# KiCad board PC110.kicad_pcb (continued)
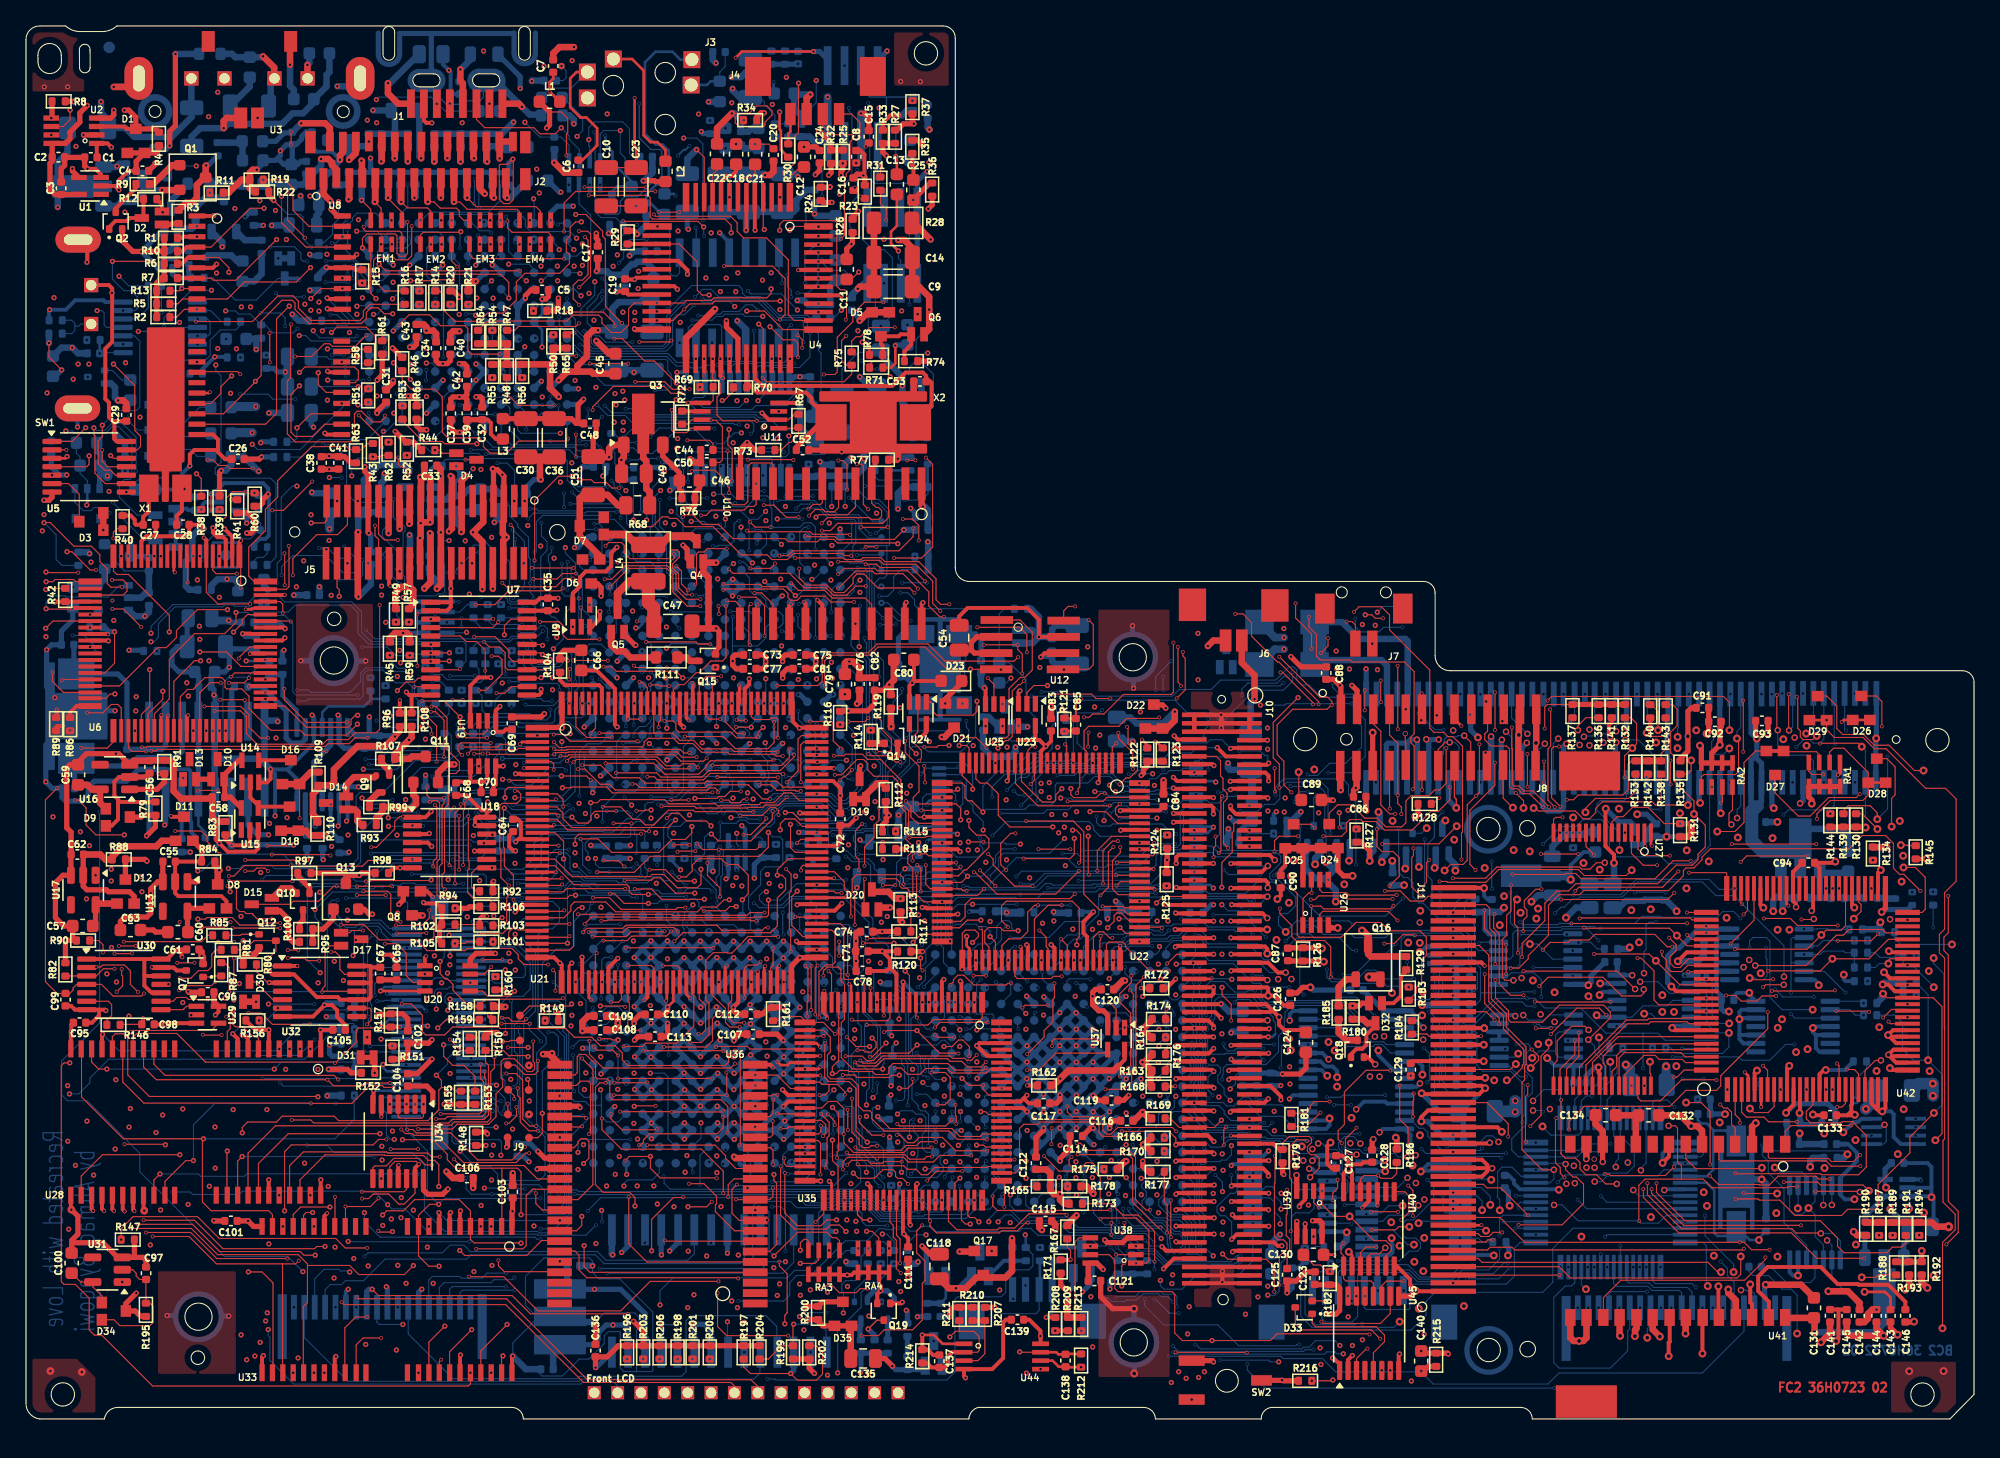
[diagram p0: board, top side]
## Routing (per net, layer and track width the routed paths; a pad name or vN(x,y) marks a point on that pad's centre or on a via; arc(x,y) is an arc through that point) (continued)
VCC: length 380.4
  FC2 w0.3: C67.2 26.64,34.8 26.53,34.91 ; 6.81,76.79 6.92,76.9 C29.1 ; 6.81,76.79 6.39,77.21 6.39,78.33 6.11,78.61 6.11,82.48 6.64,83.01 6.64,86.4 ; 6.81,76.79 6.81,75.69 ; U6.71 19.73,59.99 v1(19.94,60.2) ; 9.12,34.17 9.12,33.39 9.66,32.85 ; 9.12,34.17 9.12,35.44 ; 9.12,34.17 9.15,34.14 U30.12 ; U32.12 26.48,33.61 26.52,33.65 26.54,33.65 ; v1(14.59,31.13) 14.83,31.37 U29.5 ; 11.99,36.18 11.61,36.18 10.87,35.44 U30.14 9.12,35.44 ; 11.99,36.18 C61.1 ; 11.99,36.18 11.99,35.63 v10(12.04,35.58) ; v1(18.72,34.52) 18.98,34.26 U32.2 20.65,34.26 22.41,32.5 22.42,32.51 24.01,32.51 24.21,32.31 U32.10 26.36,32.31 26.54,32.49 26.54,33.65 ; 6.81,75.69 v1(6.81,76) ; 6.81,75.69 6.81,75.51 6.99,75.33 U5.14 ; 26.54,33.65 26.54,34.9 26.53,34.91 ; v1(6.62,86.78) 6.64,86.76 6.64,86.4 ; SW1.1 6.38,87.38 6.64,87.12 6.64,86.4 ; 26.53,34.91 U32.14 ; 9.12,35.44 U30.1
  FC2 w0.4: C96.2 14.48,32.15 U29.5 ; R44.1 29.86,75.28 R52.2 29.26,75.28 v1(28.44,76.1) ; v1(26.41,68.27) 26.35,68.33 26.35,70.73 J5.16 26.36,72.75 26.1,73.01 v1(26.1,73.38) ; v1(97.43,58.74) 98.21,57.96 C88.2 ; R128.1 107.22,46.62 v2(107.02,46.42)
  FC2 w0.5: J8.2 114.99,54.6 v4(114.99,52.71) 114.95,52.67 114.95,50.42 J8.25
  FC1 w0.08: v3(12.12,49.38) 12.12,40.25 12.62,39.75 12.62,36.16 v10(12.04,35.58)
  IC1 w0.08: 14.58,31.13 v1(14.59,31.13) 14.59,31.18
  IC1 w0.4: 19.31,63.32 20.47,63.32 v1(20.64,63.49) ; 19.31,63.32 18.8,63.32 ; 19.31,63.32 18.8,62.81 ; v1(26.41,68.27) 26.41,67.43 25.94,66.96 20,66.96 18.97,67.99 18.97,70.01 17.95,71.03 16.99,71.03 ; 16.99,71.03 16.24,71.03 ; 16.99,71.03 16.94,71.03 16.61,70.7 ; 18.23,63.32 18.8,63.32 ; 18.23,63.32 18.29,63.32 18.8,62.81 ; 18.23,63.32 v1(14.9,63.32) ; 18.8,63.32 18.8,62.55 ; 16.24,70.33 16.24,68.23 16.2,68.19 16.2,64.47 15.05,63.32 v1(14.9,63.32) ; 16.24,70.33 16.61,70.7 ; 16.24,70.33 16.24,70.34 15.55,71.03 ; 16.24,70.33 16.24,71.03 ; v1(6.23,34.3) 6.2,34.33 4.15,34.33 3.84,34.64 3.84,40.78 5.91,42.85 5.91,44.87 7.17,46.13 9.5,46.13 10.73,47.36 10.73,52.95 11.66,53.88 11.66,58.72 12.15,59.21 12.15,61.79 13.68,63.32 v1(14.9,63.32) ; 16.24,71.03 15.55,71.03 ; 16.24,71.03 16.58,70.7 16.61,70.7 ; 15.55,71.03 12.81,71.03 12.36,71.48 v1(6.4,71.48) 3.21,71.48 1.86,72.83 1.86,74.16 3.11,75.41 6.22,75.41 v1(6.81,76) ; 18.8,62.55 18.8,62.81 ; 18.8,62.55 18.8,60.71 19.31,60.2 v1(19.94,60.2) ; v1(26.1,73.38) 26.1,74.59 26.52,75.01 26.52,76.11 27.35,76.94 27.86,76.94 28.44,76.36 v1(28.44,76.1) ; 97.41,56.96 97.43,56.98 v1(97.43,58.74)
  IC1 w0.5: v1(77.14,53.34) 77.14,55.05 77.71,55.62 82.47,55.62 82.91,55.18 82.91,54.65 83.07,54.49 v1(85.84,54.49)
  IC1 w0.6: 14.03,34.25 12.03,34.25 ; 14.03,34.25 14.03,31.68 14.58,31.13 ; 14.03,34.25 17.63,34.25 17.9,34.52 v1(18.72,34.52) ; 12.03,34.25 12.03,35.57 v10(12.04,35.58) ; 12.03,34.25 7.55,34.25 7.42,34.38 6.31,34.38 v1(6.23,34.3) ; v4(114.99,52.71) 114.92,52.78 114.92,53.81 114.87,53.86
  IC1 w0.7: v1(90.28,56.96) 98.75,56.96 101.14,54.57 114.16,54.57 114.87,53.86
  IC1 w0.8: v1(90.27,60.54) 88.85,61.96 65.97,61.96 v1(64.23,63.7)
  IC3 w1: v1(64.23,63.7) 60.31,63.7 59.46,64.55 59.46,64.82 57.1,67.18 52.76,67.18 52.03,66.45 47.84,66.45 46.05,68.24 44.03,68.24 41.86,70.41 28.55,70.41 26.44,68.3 26.44,68.27
  IC4 w0.5: 7.98,67.95 v1(8.07,67.86)
  IC4 w0.6: 114.8,51.84 114.8,52.52 v4(114.99,52.71) ; v2(107.02,46.42) 107.96,46.42
  IC4 w0.7: v1(85.84,54.49) 85.84,55.73 86.41,56.3 89.62,56.3 v1(90.28,56.96) 90.28,60.53 v1(90.27,60.54) ; v1(6.4,71.48) 7.42,71.48 7.98,70.92 7.98,59.28 v1(7.94,59.24)
  IC4 w0.8: 114.8,51.84 114.8,51.07 112.71,48.98 110.52,48.98 107.96,46.42
  BC1 w0.08: 12.64,82.18 12.65,82.17 v7(13.21,82.17) ; 12.64,82.18 v7(12.64,80.56) ; 12.64,82.18 12.64,83.12 12.99,83.47 v7(13.21,83.47) ; v1(6.81,76) 6.81,75.98 ; v1(6.62,86.78) 11.2,86.78 v7(13.21,84.77)
  BC1 w0.4: v1(4.89,66.69) 6.9,66.69 v1(8.07,67.86) 9.05,68.84 9.05,73.74 6.81,75.98
  BC2 w0.08: v7(13.21,83.47) 14.01,83.47 14.19,83.65 14.19,84.57 13.99,84.77 v7(13.21,84.77)
  BC2 w0.4: R356.2 9,59.24 v1(7.94,59.24) ; v1(26.41,68.27) 26.55,68.13 26.55,66.84 C217.1 ; R285.2 9.38,66.46 Q29.3 8.07,66.47 v1(8.07,67.86)
  BC2 w0.5: D58.2 75.91,53.34 v1(77.14,53.34) ; v1(6.81,76) 7.63,75.18 R278.2 ; v1(4.89,66.69) 4.78,66.8 R288.1 ; C220.2 v1(20.64,63.49)
(no net): length 5.5
  FC2 w0.08: SW1.3 4.73,90.17 ; 4.73,89.17 v1(4.7,89.14)
  FC2 w0.3: 4.73,90.17 4.73,89.17
  BC2 w0.08: 4.7,90.2 SW1.3
  BC2 w0.3: v1(3.97,76.45) SW1.3 ; v1(4.7,89.14) 4.7,90.2
  vias: v1(4.19,45.25) v1(30.85,78.79) v1(35.25,105.42) v1(50.23,91.55) v1(78.19,48.36) v1(78.82,49.04) v1(82.71,52.7) v1(100.92,59.18) v2(146.94,11.04)
/Audio/Enable_YMF_Bus: length 194.8
  FC2 w0.08: v3(41.17,51.07) 41.71,51.07 41.82,51.18 49.96,51.18 50.45,50.69 52.2,50.69 v3(52.43,50.92) ; v3(30.26,19.64) 30.05,19.85 28.42,19.85 28.02,19.45 U34.10 ; v3(38.81,30.46) 38.8,30.47 v3(36.63,30.47) ; v3(61.3,68.46) 61.96,68.46 62.52,69.02 65.99,69.02 66.44,69.47 U10.3 ; U34.4 28.67,23.3 28.79,23.18 30.49,23.18 30.62,23.31 v3(30.62,24.25) ; v3(31.59,23.12) 32.29,23.12 32.47,23.3 35.13,23.3 35.42,23.59 35.42,26.19 35.33,26.28 v3(35.33,26.77) ; v3(7.33,13.82) 7.33,14.66 8.26,15.59 13.21,15.59 14.89,13.91 23.86,13.91 24.59,13.18 v3(26.27,13.18) ; U34.13 29.97,17.4 29.13,16.56 28.71,16.56 27.94,17.33 26.74,17.33 26.39,16.98 v3(25.89,16.98)
  FC2 w0.3: v3(30.26,19.64) 29.97,19.35 U34.13
  FC1 w0.08: v3(25.89,16.98) 25.89,16.65 25.72,16.48 25.72,15.34 26.27,14.79 v3(26.27,13.18) ; v3(35.33,26.77) 35.36,26.8 35.36,29.72 36.11,30.47 v3(36.63,30.47) ; v3(41.17,51.07) 41.01,50.91 40.27,50.91 39.8,50.44 39.8,38.45 39.12,37.77 39.12,32.19 38.81,31.88 v3(38.81,30.46) ; v3(61.3,68.46) 61.29,68.45 61.29,67.12 61.56,66.85 61.56,64.55 62.06,64.05 62.06,61.33 61.88,61.15 55.45,61.15 54.41,60.11 52.47,60.11 52.33,59.97 52.33,58.22 52.6,57.95 52.6,55.03 52.74,54.89 52.74,51.23 v3(52.43,50.92) ; v3(2.01,72.73) 2.5,72.24 2.5,66.27 3.19,65.58 3.19,58.1 1.86,56.77 1.86,49.74 2.02,49.58 2.02,46.95 1.74,46.67 1.74,45.86 1.97,45.63 1.97,35.89 2.65,35.21 2.65,21.97 v1(3.22,21.4) 2.69,20.87 2.69,17.94 6.81,13.82 v3(7.33,13.82) 7.33,12.32 7.39,12.26 7.39,10.58 v3(7.42,10.55) ; v3(30.26,19.64) 30.26,20.15 31.59,21.48 v3(31.59,23.12) 30.62,24.09 v3(30.62,24.25)
/Audio/PCMCIA_KB_sound: length 2.1
  FC2 w0.08: 68.36,95.5 C25.2
  FC2 w0.3: 68.36,95.5 68.36,96.51 68.27,96.6 R35.1
/Audio/YMFDAC_OUTPUT: length 2.3
  FC2 w0.4: R26.1 63.66,91.42 63.66,90.62 v1(63.58,90.54) 63.22,90.18 C11.2
/Chipset/CMOS_BATT+: length 10.2
  FC2 w0.08: J4.3 61.38,99.65 62.06,98.97 v3(63.81,98.97) ; R31.2 65.81,96.56 v3(65.6,96.77)
  FC1 w0.08: v3(65.6,96.77) 65.6,97.65 64.28,98.97 v3(63.81,98.97) 63.81,96.93 v3(63.95,96.79)
/Keyboard and Trackpoint/D171_GPCLK: length 99.3
  FC1 w0.08: v1(51.34,7.25) 50.19,6.1 v3(50.19,4.62)
  IC2 w0.08: v1(52.43,12.56) 52.43,7.67 52.01,7.25 v1(51.34,7.25)
  IC3 w0.08: v1(52.43,12.56) 53.37,13.5 58.18,13.5 59.04,12.64 60.24,12.64 60.4,12.8 67.7,12.8 67.72,12.82 67.74,12.8 70.1,12.8 71.43,14.13 75.13,14.13 75.58,14.58 76.43,14.58 76.91,15.06 79.5,15.06 80.19,14.37 84.99,14.37 86.71,12.65 89.56,12.65 91.2,11.01 96.1,11.01 101.46,16.37 104.63,16.37 105.42,15.58 107.44,15.58 107.91,15.11 123.5,15.11 123.95,15.56 v2(125.16,15.56)
  BC1 w0.08: v2(125.16,15.56) 125.73,15.56 127.8,17.63 v7(127.8,19.7)
  BC2 w0.4: 52.73,5.17 52.73,6.8 52.24,7.29 51.38,7.29 v1(51.34,7.25) 51.48,7.11 U75.23
/Keyboard and Trackpoint/D171_GPDATA: length 108.8
  FC1 w0.08: v1(48.95,7.26) 48.95,6.03 v3(47.54,4.62)
  IC2 w0.08: v1(48.95,7.26) 49.99,6.22 61.28,6.22 62.32,7.26 62.32,10.7 61.78,11.24 61.78,15.56 61.96,15.74 70.77,15.74 70.79,15.72 79.35,15.72 80.72,14.35 85.32,14.35 86.13,13.54 86.13,9.8 86.62,9.31 89.65,9.31 91.17,7.79 92.91,7.79 93.93,8.81 93.93,9.7 94.85,10.62 114.38,10.62 120.83,17.07 v4(120.83,18.29)
  BC2 w0.08: 50.18,5.17 50.18,7 49.92,7.26 v1(48.95,7.26) 48.93,7.24 48.93,5.17 ; v4(120.83,18.29) 121.35,18.29 121.78,18.72 125.67,18.72 126.15,19.2 U67.21
/Keyboard and Trackpoint/D171_P0A0: length 36.6
  IC1 w0.08: v1(30.49,10) 38.37,10 38.86,10.49 49.28,10.49 49.74,10.03 60.34,10.03 v1(60.42,9.95)
  BC1 w0.08: v1(60.42,9.95) 60.42,11.87 60.55,12 60.55,14.4 v7(60.38,14.57)
  BC2 w0.4: J19.6 30.24,9.75 v1(30.49,10)
/Keyboard and Trackpoint/D171_P0A1: length 33.4
  BC1 w0.08: v7(44.77,11.23) 37,11.23 v7(36.99,11.24)
  BC2 w0.08: v7(44.77,11.23) 58.3,11.23 59.13,12.06 U75.12 ; v7(36.99,11.24) 35.53,11.24 35.14,10.85 33.54,10.85 33.41,10.98 31.3,10.98 31.02,10.7 31.02,8.63 J19.5
/Keyboard and Trackpoint/D171_P0A2: length 30.3
  BC1 w0.08: v7(57.85,13.89) 57.84,13.9 47.41,13.9 46.89,13.38 46.89,12.44 45.35,10.9 v7(37.62,10.9)
  BC2 w0.08: J19.4 31.84,10.13 32.21,10.5 35.81,10.5 36.04,10.73 37.45,10.73 v7(37.62,10.9) ; v7(57.85,13.89) 57.85,14.54 U75.11
/Keyboard and Trackpoint/D171_P0A3: length 32.1
  BC1 w0.08: v7(36.97,10.2) 36.97,9.73 38.57,8.13 55.06,8.13 56.6,9.67 56.6,13.55 v7(56.59,13.56)
  BC2 w0.08: J19.3 32.64,10.01 32.83,10.2 v7(36.97,10.2) ; v7(56.59,13.56) 56.59,14.56 U75.10
/Keyboard and Trackpoint/D171_P0B0: length 37.5
  BC2 w0.08: J19.15 23.04,9.96 23.43,10.35 24.3,10.35 24.6,10.65 25.99,10.65 27.66,12.32 33.93,12.32 34.26,12.65 43.85,12.65 44.53,11.97 55.03,11.97 55.33,12.27 U75.9
/Keyboard and Trackpoint/D171_P0B1: length 37.2
  IC1 w0.08: v1(23.73,10.86) 23.73,11.93 24.67,12.87 32.05,12.87 32.42,12.5 43.94,12.5 44.82,13.38 46.86,13.38 48.15,12.09 53.35,12.09 v1(54.03,12.77)
  BC1 w0.08: v7(23.84,8.61) 23.84,10.75 v1(23.73,10.86)
  BC2 w0.4: v1(54.03,12.77) U75.8
/Keyboard and Trackpoint/D171_P0B2: length 34
  IC1 w0.08: v1(24.82,9.99) 25.18,9.63 38.46,9.63 38.75,9.34 49.44,9.34 49.67,9.57 v1(51.45,9.57)
  BC1 w0.08: v1(51.45,9.57) 51.45,12.25 v7(52.76,13.56)
  BC2 w0.08: v7(52.76,13.56) 52.76,14.55 U75.7
  BC2 w0.3: v1(24.82,9.99) 24.64,9.81 J19.13
/Keyboard and Trackpoint/D171_P0B3: length 32.5
  BC1 w0.08: v7(25.44,8.61) 25.44,11.65 26.08,12.29 v7(26.08,12.53)
  BC2 w0.08: v7(26.08,12.53) 26.35,12.8 32.07,12.8 32.67,13.4 33.73,13.4 34.23,12.9 44.01,12.9 44.68,12.23 50.97,12.23 51.48,12.74 U75.6
/Keyboard and Trackpoint/D171_P0C2: length 29.3
  FC1 w0.08: v3(52.67,4.62) 52.67,6.87 50.97,8.57 v1(50.97,8.58)
  BC1 w0.08: 47.69,9.22 47.67,9.24 v7(47.67,13.57) ; 47.69,9.22 50.35,9.22 50.97,8.6 v1(50.97,8.58) ; 47.69,9.22 38.36,9.22 v7(37.64,9.94)
  BC2 w0.08: v7(37.64,9.94) 37.62,9.92 33.62,9.92 33.44,9.74 J19.2 ; U75.3 47.67,14.56 v7(47.67,13.57)
/Keyboard and Trackpoint/D171_P0C3: length 44.8
  FC1 w0.08: v1(45.88,12.83) 45.88,4.33 46.21,4 50.72,4 v3(51.34,4.62)
  IC1 w0.08: v1(45.88,12.83) 45.88,12.2 44.84,11.16 35.56,11.16 34.82,11.9 32.64,11.9 31.92,12.62 26.15,12.62 24.94,11.41 v1(24.94,11.32)
  BC2 w0.08: v1(24.94,11.32) 24.86,11.4 24.24,11.4 24.11,11.53 22.96,11.53 22.24,10.81 J19.16
  BC2 w0.4: v1(45.88,12.83) 46.38,13.33 U75.2
/Keyboard and Trackpoint/D171_P1A0: length 40.3
  IC1 w0.08: v1(54.03,7.49) 53.3,8.22 18.63,8.22 v1(18.59,8.18)
  BC1 w0.08: v7(20.64,8.61) 20.21,8.18 v1(18.59,8.18)
  BC2 w0.08: v1(54.03,7.49) 54.03,5.17
/Keyboard and Trackpoint/D171_P1A1: length 29.4
  BC1 w0.08: v7(28.64,8.61) 28.44,8.41 28.44,6.97 29.24,6.17 54.31,6.17 v7(55.33,5.15)
/Keyboard and Trackpoint/D171_P1A2: length 40.7
  BC2 w0.08: J19.17 21.44,6.27 24.81,2.9 42.59,2.9 42.76,3.07 56.07,3.07 56.53,3.53 56.53,5.17
/Keyboard and Trackpoint/D171_P1A3: length 38.5
  BC2 w0.08: J19.7 29.44,6.56 32.9,3.1 42.46,3.1 42.65,3.29 50.48,3.29 50.84,3.65 50.84,7.56 51.24,7.96 56.99,7.96 57.83,7.12 57.83,5.17
/Keyboard and Trackpoint/KB1_0: length 25.5
  BC1 w0.08: v7(114.77,17.2) 114.19,17.78 111.77,17.78 111.4,17.41 v7(111.4,11.84)
  BC2 w0.08: v7(111.4,11.84) 110.58,11.84 109.68,10.94 107.39,10.94 106.44,11.89 101.25,11.89 100.7,11.34 99.19,11.34 99.09,11.24 J17.8 ; v7(114.77,17.2) U67.56
/Keyboard and Trackpoint/KB1_1: length 27.9
  BC1 w0.08: v7(114.97,16.27) 114.28,15.58 114.28,13.33 114.69,12.92 114.69,12.31 114.41,12.03 v7(114.13,12.03)
  BC2 w0.08: v7(114.97,16.27) 114.97,16.56 115.11,16.7 U67.55 ; J17.7 100.09,8.6 99.81,8.32 99.81,7.74 100.09,7.46 102.14,7.46 102.57,7.89 102.57,11.15 102.7,11.28 106.47,11.28 107.17,10.58 110.14,10.58 110.75,11.19 113.01,11.19 113.85,12.03 v7(114.13,12.03)
/Keyboard and Trackpoint/KB1_2: length 16.1
  BC1 w0.08: v7(106.13,9.89) 106.59,10.35 115.26,10.35 116.37,11.46 116.37,13.54 116.85,14.02 116.85,14.57 116.3,15.12 v7(116.3,16.2)
  BC2 w0.08: v7(106.13,9.89) 106.11,9.89 J17.1
/Keyboard and Trackpoint/KB1_3: length 20.8
  BC1 w0.08: v7(113.5,13.13) v7(113.5,14.13)
  BC2 w0.08: U67.53 113.77,15.7 113.5,15.43 v7(113.5,14.13) ; J17.6 101.09,11.29 101.29,11.49 106.56,11.49 107.28,10.77 109.9,10.77 110.61,11.48 112.66,11.48 113.5,12.32 v7(113.5,13.13)
/Keyboard and Trackpoint/KB1_4: length 15.3
  BC1 w0.08: v7(105.15,9.89) 105.78,10.52 112.21,10.52 113.55,11.86 113.55,12.69 113.81,12.95 v7(113.81,15.22)
  BC2 w0.08: J17.2 105.11,9.89 v7(105.15,9.89) ; U67.52 113.83,15.2 v7(113.81,15.22)
/Keyboard and Trackpoint/KB1_5: length 30.1
  BC1 w0.08: v7(114.72,14.69) 114.72,15.33 116,16.61 116.55,16.61 116.95,16.21 116.95,15.04 117.38,14.61 117.38,13.92 116.79,13.33 116.79,10.3 114.78,8.29 111.91,8.29 110.64,7.02 102.73,7.02 102.32,7.43 102.32,8.87 v7(102.11,9.08)
  BC2 w0.08: J17.5 102.11,9.89 v7(102.11,9.08) ; U67.51 114.73,14.7 v7(114.72,14.69)
/Keyboard and Trackpoint/KB1_6: length 14.9
  BC1 w0.08: v7(104.14,9.89) 104.99,10.74 110.46,10.74 110.56,10.84 110.97,10.84 v7(111.01,10.8) ; v7(116.3,14.2) 115.96,13.86 115.96,12.39 115.21,11.64 v7(114.27,11.64)
  BC2 w0.08: v7(104.14,9.89) 104.11,9.89 J17.3 ; v7(111.01,10.8) 113.43,10.8 v7(114.27,11.64)
/Keyboard and Trackpoint/KB1_7: length 19
  BC2 w0.08: U67.49 115.08,13.6 114.65,13.17 114.65,11.01 114.03,10.39 106.86,10.39 106.6,10.13 106.6,8.53 106.5,8.43 103.23,8.43 103.09,8.57 J17.4
/Keyboard and Trackpoint/KB2_1: length 8.6
  BC1 w0.08: v7(121.13,8.57) 121.13,10.94 121.27,11.08 121.27,11.95 121.81,12.49 125.11,12.49 v7(125.9,11.7)
/Keyboard and Trackpoint/KB2_2: length 7.4
  BC1 w0.08: v7(128.62,10.14) 129.39,9.37 129.95,9.37 130.73,8.59 v7(130.73,8.57)
  BC2 w0.08: U67.34 125.3,10.64 125.51,10.43 128.33,10.43 v7(128.62,10.14)
/Keyboard and Trackpoint/KB2_3: length 6
  BC1 w0.08: v7(124.86,9.81) 124.8,9.87 v7(124.8,11.7)
  BC2 w0.08: J16.17 121.93,9.63 122.11,9.81 v7(124.86,9.81)
/Keyboard and Trackpoint/KB2_4: length 3.2
  BC1 w0.08: v7(124.33,8.57) 124.29,8.61 124.29,11.69 v7(124.3,11.7)
/Keyboard and Trackpoint/KB2_5: length 3.6
  BC1 w0.08: v7(122.73,8.57) 123.8,9.64 v7(123.8,11.7)
/Keyboard and Trackpoint/KB2_6: length 7.7
  BC2 w0.08: J16.9 128.33,9.78 127.98,10.13 125.38,10.13 125.03,10.48 123.46,10.48 123.3,10.64 U67.38
/Keyboard and Trackpoint/KB2_7: length 13.9
  BC1 w0.08: v7(122.82,13.36) 122.82,13.36 126.55,13.36 127.86,12.05 130.46,12.05 v7(130.53,12.12)
  BC2 w0.08: v7(122.82,13.36) 122.8,13.34 U67.39 ; v7(130.53,12.12) 131.05,11.6 131.05,11.06 131.57,10.54 131.57,9.67 131.53,9.63 J16.5
/Keyboard and Trackpoint/KB2_8: length 7.9
  BC2 w0.08: J16.10 127.53,9.72 127.35,9.9 125.24,9.9 124.92,10.22 122.52,10.22 122.29,10.45 122.29,11.7
/Keyboard and Trackpoint/KB2_9: length 11.8
  BC1 w0.08: v7(121.8,11.7) 121.8,8.73 122.35,8.18 124.68,8.18 125.69,9.19 126.07,9.19 126.41,8.85 126.41,8.37 126.59,8.19 128.75,8.19 v7(129.13,8.57)
/Keyboard and Trackpoint/KB2_10: length 10
  BC1 w0.08: v7(126.73,8.57) 126.73,11.82 125.84,12.71 121.32,12.71 v7(121.3,12.69)
  BC2 w0.08: v7(121.3,12.69) U67.42
/Keyboard and Trackpoint/KB2_11: length 14.1
  BC1 w0.08: v7(129.93,8.57) 129.3,7.94 126.55,7.94 126.22,8.27 126.22,8.79 126.05,8.96 126.05,8.97 125.79,8.97 124.76,7.94 121.16,7.94 120.85,8.25 120.85,11.29 120.8,11.34 v7(120.8,11.7)
/Keyboard and Trackpoint/KB2_12: length 9.6
  BC1 w0.08: v7(120.3,11.7) 120.3,11.37 120.64,11.03 120.64,8.12 121.14,7.62 124.98,7.62 v7(125.93,8.57)
/Keyboard and Trackpoint/KB2_13: length 11.8
  IC1 w0.08: v2(120.16,10.01) 120.16,10 123.19,10 124.91,8.28 124.91,6.29 v2(124.88,6.26)
  BC2 w0.08: U67.45 119.8,10.36 v2(120.16,10.01) ; J16.13 125.13,7.21 124.88,6.96 v2(124.88,6.26)
/Keyboard and Trackpoint/KB2_14: length 18.1
  BC2 w0.08: J16.15 123.53,6.93 123.37,6.77 123.37,5.25 122.04,3.92 118.09,3.92 117.68,4.33 117.68,9.36 118.57,10.25 119.05,10.25 119.3,10.5 U67.46
/Keyboard and Trackpoint/KB2_15: length 3.4
  BC1 w0.08: v7(119.53,8.57) 118.8,9.3 v7(118.8,11.7)
/Keyboard and Trackpoint/KB2_16: length 5.4
  BC1 w0.08: v7(120.33,8.57) 119.87,8.11 119,8.11 118.2,8.91 v7(118.2,11.7)
/Keyboard and Trackpoint/TRKPD_Lclick: length 136.7
  FC1 w0.08: v1(48.84,8.79) 49.63,8 49.63,5.44 48.81,4.62 v3(48.8,4.62)
  IC2 w0.08: v1(48.84,8.79) 48.84,12.01 48.95,12.12 v1(48.95,12.64)
  IC3 w0.08: v1(48.84,8.79) 48.74,8.89 30.49,8.89 29.03,7.43 v1(29.03,7.28)
  BC1 w0.08: v7(88.01,4.83) 87.77,5.07 87.77,7.15 84.96,9.96 84.96,12.11 84.57,12.5 v7(84.57,13.39)
  BC2 w0.08: J19.10 27.04,7.45 27.21,7.28 v1(29.03,7.28) ; v7(88.01,4.83) 96.65,4.83 96.83,4.65 99.86,4.65 100.88,3.63 107.46,3.63 108.4,2.69 117.23,2.69 118.08,3.54 129.12,3.54 132.33,6.75 J16.4 ; v1(48.84,8.79) 48.84,9.88 49.83,10.87 58.63,10.87 59.21,11.45 60.06,11.45 61.06,12.45 61.06,15.91 61.25,16.1 62.25,16.1 62.53,16.38 64.63,16.38 65.77,15.24 67.3,15.24 68.07,14.47 68.59,14.47 68.97,14.85 69.69,14.85 70.09,14.45 76.5,14.45 76.73,14.68 77.4,14.68 77.93,14.15 81.81,14.15 82.63,13.33 83.16,13.33 83.43,13.6 84.36,13.6 v7(84.57,13.39)
  BC2 w0.4: v1(48.95,12.64) 48.93,12.66 U75.4
/Keyboard and Trackpoint/TRKPD_Rclick: length 150.4
  FC2 w0.08: v3(46.38,8.1) 38.85,8.1 37.44,9.51 27.14,9.51 v1(26.66,9.99)
  FC1 w0.08: v3(46.3,4.62) 46.3,8.02 v3(46.38,8.1) 46.38,9.16 49.58,12.36 v1(49.58,12.95)
  IC2 w0.08: v1(42.52,19.22) 42.52,18.5 46.46,14.56 47.97,14.56 v1(49.58,12.95)
  IC3 w0.08: v1(42.52,19.22) 42.09,19.65 42.09,19.98 42.28,20.17 43.99,20.17 44.81,20.99 64.08,20.99 64.56,20.51 67.7,20.51 68.08,20.89 68.47,20.89 68.93,20.43 73.69,20.43 73.93,20.67 83.27,20.67 83.34,20.74 83.94,20.74 84.06,20.62 89.22,20.62 90.84,22.24 93.59,22.24 93.77,22.06 94.96,22.06 95.6,21.42 97.17,21.42 98.09,20.5 98.55,20.5 98.72,20.33 99.65,20.33 100.21,19.77 103.03,19.77 104.09,20.83 120.51,20.83 120.79,20.55 v14(120.79,20.02)
  IC4 w0.08: v4(132.1,9.93) 132.1,11.32 133.08,12.3 133.08,13.42 132.09,14.41 132.05,14.41 132.05,16.53 127.85,20.73 121.5,20.73 v14(120.79,20.02)
  BC2 w0.08: v4(132.1,9.93) 132.47,9.93 132.53,9.87 132.92,9.87 133.13,9.66 J16.3
  BC2 w0.4: v1(26.66,9.99) 26.42,9.99 26.24,9.81 J19.11 ; U75.5 50.23,13.6 v1(49.58,12.95)
/Memory/RAM_LCASL#: length 88.3
  FC2 w0.08: v3(27.36,6.24) 25.97,6.24 25.44,5.71 U33.32
  FC1 w0.08: v1(27.48,14.91) 27.52,14.87 27.52,10.64 27.21,10.33 27.21,6.39 v3(27.36,6.24)
  IC4 w0.08: v1(27.48,14.91) 27.42,14.85 27.42,12.26 28.44,11.24 31.98,11.24 32.56,11.82 32.56,13.77 33.91,15.12 33.91,16.63 33.33,17.21 33.33,19.46 32.61,20.18 32.61,21.2 32.93,21.52 32.93,22.82 31.72,24.04 31.72,25.52 32.06,25.86 32.06,27.73 30.3,29.49 30.3,32.96 31.7,34.36 v1(32.47,34.36)
  BC1 w0.08: v7(33.3,31.75) 33.3,33.53 v1(32.47,34.36) 31.5,34.36 30.95,34.91 30.95,36.97 31.15,37.17 31.15,40.88 30.76,41.27 30.76,41.92 32.38,43.54 32.38,49.91 32.24,50.05 32.24,50.75 32.36,50.87 32.36,55.69 33.2,56.53 33.2,57.59 33.19,57.59 33.19,57.91 33.77,58.49 33.77,59.52 32.43,60.86 v7(32.43,61.39) 35.22,61.39 v7(36.59,62.76)
  BC2 w0.08: J15.48 34.25,31.75 v7(33.3,31.75) 34.3,31.75 34.33,31.78
/Memory/RAM_LCASU#: length 69.4
  FC2 w0.08: v1(12.9,19.91) 12.31,19.91 10.71,18.31 U28.32
  BC1 w0.08: v7(28.83,32.26) 28.83,33.47 30.36,35 30.36,36.65 29.5,37.51 29.5,39.75 30.29,40.54 30.29,43.98 30.91,44.6 31.76,44.6 32.18,45.02 32.18,46.58 32.04,46.72 32.04,57.54 31.25,58.33 31.25,61.2 31.83,61.78 31.83,62.64 v7(31.52,62.95) ; v7(35.57,62.76) 35.12,62.76 35.07,62.71 33.59,62.71 v7(33.33,62.97) ; v7(23.84,24.31) 23.84,31.36 24.68,32.2 v7(27.06,32.2)
  BC2 w0.08: v7(27.06,32.2) 27.55,32.2 27.61,32.26 v7(28.83,32.26) 29.26,32.26 J15.12 ; v7(33.33,62.97) 33.32,62.99 31.56,62.99 v7(31.52,62.95) ; v1(12.9,19.91) 12.9,22.67 14.54,24.31 v7(23.84,24.31)
/Memory/RAM_UCASL#: length 73.1
  FC2 w0.08: R159.1 32.35,30.76 v1(31.72,30.13) ; v3(26.29,7.85) 25.39,7.85 24.56,7.02 24.56,3.59 U33.31
  FC1 w0.08: v3(26.29,7.85) 26.29,10.46 26.79,10.96 26.79,16.43 26.59,16.63 26.59,20.96 26.5,21.05 26.5,23.8 27.48,24.78 28.11,24.78 29.51,26.18 30.44,26.18 31.72,27.46 v1(31.72,30.13)
  IC2 w0.08: v1(31.72,30.13) 30.5,31.35 30.5,31.37 30.37,31.5 30.37,36.76 31.9,38.29 31.9,50.43 31.89,50.44 31.89,55.02 31.32,55.59 31.32,59.29 32.65,60.62 v1(33.94,60.62)
  BC2 w0.08: v1(33.94,60.62) 33.91,60.59 RA5.4 ; 34.33,31.28 34.32,31.29 32.88,31.29 v1(31.72,30.13)
/Memory/RAM_UCASU#: length 74.2
  FC2 w0.08: v1(10.32,18.88) 9.86,18.42 U28.31
  BC1 w0.08: v7(30.33,18.84) 30.33,30.97 v7(30.81,31.45) ; v7(31.51,62.03) 31.02,61.54 31.02,58.94 30.45,58.37 30.45,56.68 30.15,56.38 30.15,54.58 29.87,54.3 29.87,53.39 30.01,53.25 30.01,52.1 29.91,52 29.91,45.87 29.91,45.94 29.91,44.46 30.03,44.34 30.03,40.65 29.23,39.85 29.23,37.34 30.06,36.51 30.06,35.13 28.16,33.23 28.16,32.04 v7(27.82,31.7)
  BC2 w0.08: R261.2 33.99,62.76 33.42,62.19 RA5.2 31.67,62.19 v7(31.51,62.03) ; v1(10.32,18.88) 13.28,18.88 13.46,18.7 16.83,18.7 17.02,18.89 30.28,18.89 v7(30.33,18.84)
  BC2 w0.2: v7(30.81,31.45) 30.47,31.79 J15.13 27.91,31.79 v7(27.82,31.7)
/PCMCIA/ABVD1: length 105.6
  FC2 w0.08: v3(92.45,22.5) 92.26,22.31 v3(92.26,21.1)
  FC2 w0.2: v3(88.04,27.33) 88.03,27.33 87.75,27.05 R163.2
  FC2 w0.3: v1(95.72,17.39) 95.7,17.41 J10.59
  FC1 w0.08: v3(92.45,22.5) 92.62,22.67 92.62,23.15 91.97,23.8 91.97,23.97 90.97,24.97 90.97,27.08 89.93,28.12 88.22,28.12 88.04,27.94 v3(88.04,27.33) ; v3(92.26,21.1) 93.5,19.86 93.5,18.64 94.75,17.39 v1(95.72,17.39)
  IC1 w0.08: v4(118.65,18.12) 118.65,16.34 117.9,15.59 111.32,15.59 110.92,15.99 107.11,15.99 106.11,16.99 96.12,16.99 v1(95.72,17.39)
  IC2 w0.08: v4(118.65,18.12) 118.55,18.12 118.19,18.48 117.6,18.48 116.08,20 v4(116.08,23.77)
  BC1 w0.08: v7(97.02,36.82) 96.58,36.38 95.98,36.38 95.49,36.87 v7(95.49,37.12) ; v7(90.08,38.14) 90.94,38.14 91.16,37.92 93.03,37.92 v7(93.33,38.22) ; v7(83.45,31.29) 82.98,31.76 82.98,32.17 83.74,32.93 83.74,33.41 83.9,33.57 83.9,34.72 84.54,35.36 84.54,36.2 85.72,37.38 v7(85.72,38.04) ; v7(102.46,36.1) 102.97,36.1 104.34,34.73 107.09,34.73 108.26,33.56 108.63,33.56 108.94,33.25 108.94,30.84 108.88,30.78 108.88,29.03 109.55,28.36 111.52,28.36 111.78,28.11 111.78,27.35 112.36,26.76 113.24,26.76 113.59,26.41 113.59,25.76 113.86,25.49 114.9,25.49 115.39,25.98 116.07,25.98 116.84,25.21 v7(116.84,23.68)
  BC2 w0.08: v7(83.45,31.29) 84.71,31.29 85.27,30.73 ; v7(95.49,37.12) 94.39,38.22 v7(93.33,38.22) ; v7(116.84,23.68) 116.75,23.77 v4(116.08,23.77) ; v7(90.08,38.14) 88.4,38.14 88.25,37.99 86.79,37.99 86.74,38.04 v7(85.72,38.04) ; v7(102.46,36.1) 102.15,36.1 101.18,37.07 99.23,37.07 98.95,37.35 98.91,37.35 98.88,37.38 97.58,37.38 v7(97.02,36.82)
/PCMCIA/ABVD2: length 46.8
  FC2 w0.2: R176.2 87.77,28.42 v3(88.04,28.69)
  FC1 w0.08: v3(88.04,28.69) 88.04,28.56 87.67,28.19 87.67,27.26 87.92,27.01 89.84,27.01 90.79,26.06 90.79,23.02 91.63,22.18 93.23,22.18 93.66,21.75 93.66,20.24 94.24,19.66 v3(94.24,18.66) 94.69,18.21 96.42,18.21 96.56,18.35 98.11,18.35 98.38,18.62 v4(98.38,19.91)
  IC4 w0.08: v4(98.38,19.91) 98.37,19.9 98.37,18.55 97.93,18.11 95.54,18.11 94.14,19.51 94.14,26.48 93.9,26.72 93.9,29.81 92.88,30.83 v1(92.88,33.88)
  BC2 w0.08: v1(92.88,33.88) 92.83,33.93 89.74,33.93 89.08,33.27
/PCMCIA/ACA0: length 23.8
  FC2 w0.3: J10.58 92.91,18.01 v1(92.85,17.95)
  BC1 w0.08: v7(89.38,32.61) 89.58,32.61 89.63,32.66 92.51,32.66 92.77,32.4 92.77,31.99 94.18,30.58 94.18,29.8 94.43,29.55 94.43,25.69 94.25,25.51 94.25,23.74 93.9,23.39 93.9,21.77 94.12,21.55 94.12,19.39 93.42,18.68 92.96,18.68 v7(92.85,18.79)
  BC2 w0.08: v7(92.85,18.79) v1(92.85,17.95) ; 87.81,33.27 87.81,32.79 88.3,32.3 88.68,32.3 88.99,32.61 v7(89.38,32.61)
/PCMCIA/ACA1: length 25.9
  FC2 w0.3: J10.56 95.29,19.31 95.7,18.9 v1(95.7,18.72)
  BC1 w0.08: v7(90.15,32.12) 89.22,32.12 88.98,31.88 85.95,31.88 v7(85.36,31.29) ; v7(95.34,27.64) 95.31,27.61 95.31,23.74 95.09,23.52 95.09,21.54 95.27,21.36 95.27,19.66 95.7,19.23 v1(95.7,18.72)
  BC2 w0.08: v7(95.34,27.64) 95.34,27.66 94.67,28.33 93.32,28.33 93.16,28.17 92.4,28.17 92.34,28.11 91.24,28.11 91.02,28.33 91.02,29.5 90.4,30.12 90.4,30.89 90.36,30.93 90.36,31.91 v7(90.15,32.12)
  BC2 w0.2: v7(85.36,31.29) 85.27,31.38 85.27,32
/PCMCIA/ACA2: length 37.9
  FC1 w0.08: v4(97.81,19.45) 95.35,19.45 v3(94.24,20.56)
  BC1 w0.08: v4(97.81,19.45) 97.25,20.01 97.25,21.72 97.2,21.77 97.2,22.98 98.25,24.03 98.25,30.76 96.46,32.55 v7(96.43,32.55) ; v7(93.45,33.33) 92.71,33.33 92.1,33.94 91.13,33.94 90.51,33.32 89.81,33.32 89.63,33.5 89.63,34.16 89.38,34.41 87.11,34.41 86.99,34.29 85.96,34.29 84.99,33.32 84.52,33.32 84.1,32.9 84.1,31.98 84.54,31.54 v7(84.54,30.08)
  BC2 w0.08: 84,29.43 84,29.8 84.28,30.08 v7(84.54,30.08) ; v7(93.45,33.33) 94.83,33.33 95.16,33 95.16,32.44 95.47,32.13 96.01,32.13 v7(96.43,32.55)